# Altium PCB LightLink_V3.PcbDoc (part 3 of 4)
Units mm, origin at the board's own origin, x right, y up, seen from the top; angles counter-clockwise.
Board outline 142 x 100 mm, 6 copper layers (Top Layer, GND, PWR, BRIDGE_1, BRIDGE_2, Bottom Layer), stack 0.816 mm thick; 380 components, 269 nets, 1515 pads, 309 vias.
Unrouted connection lines stored in the file: 109.
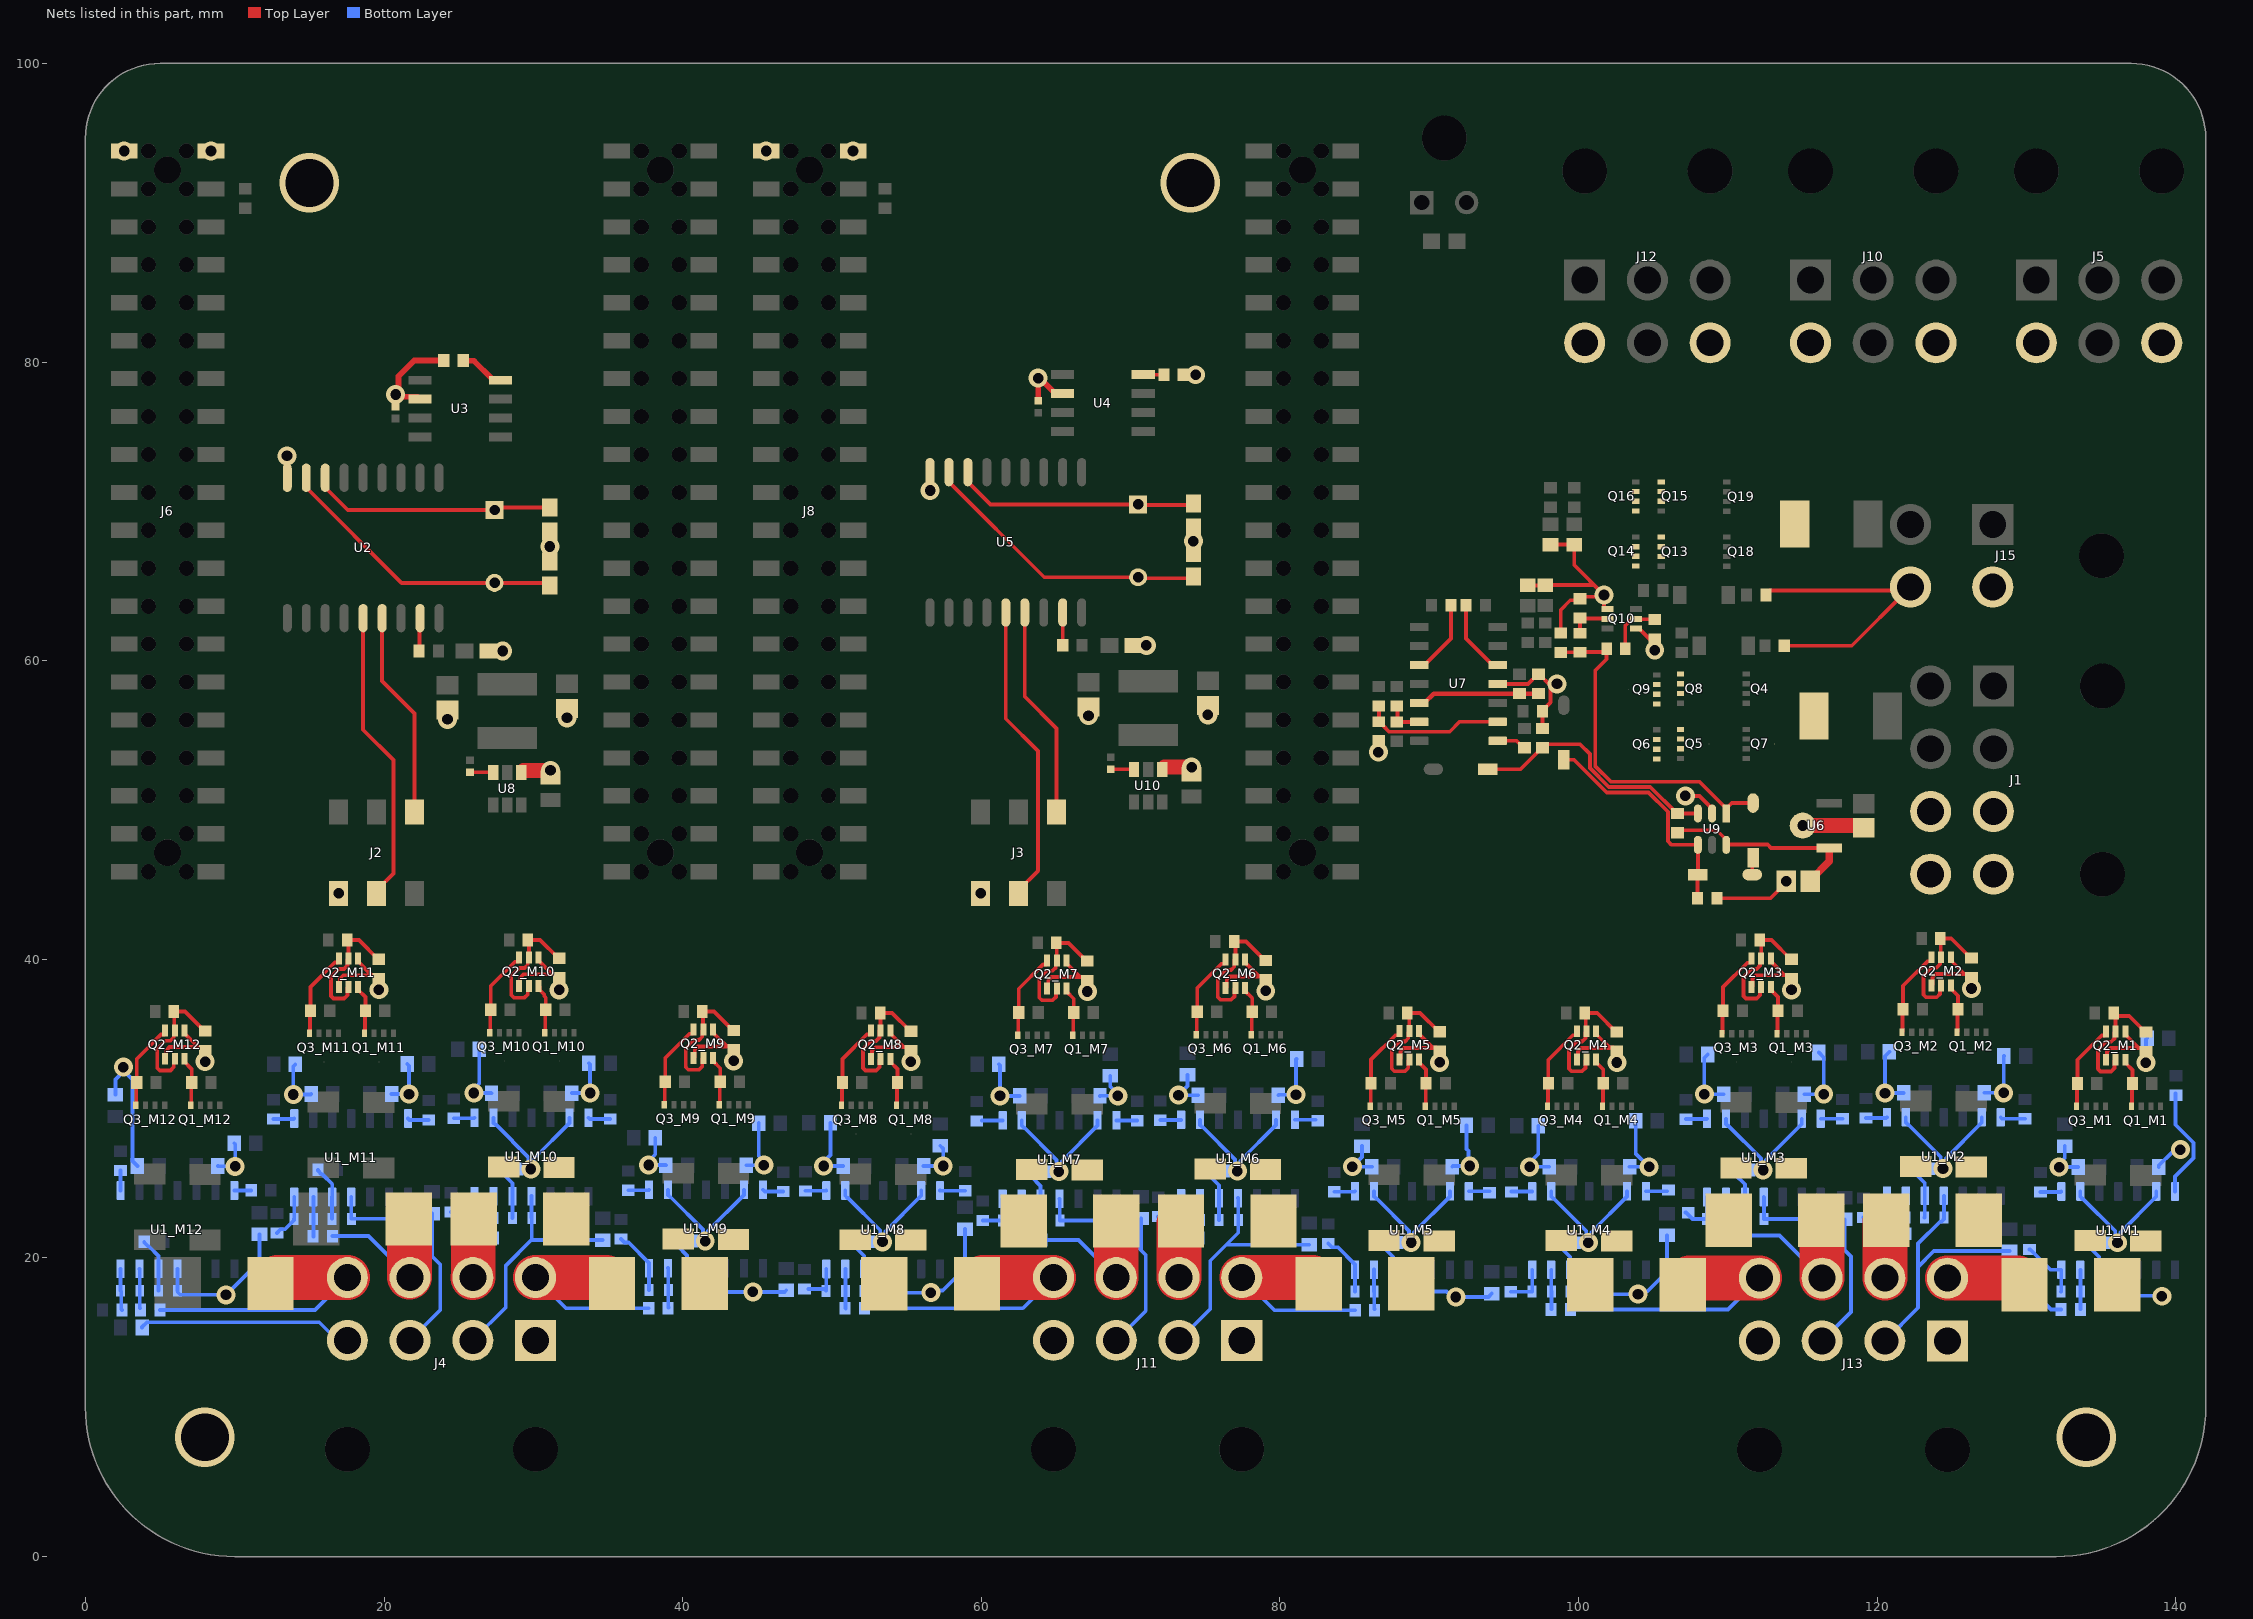
[diagram p7: the nets of this part, all layers, seen from the top]

## Via types
v1: diameter 1.27, hole 0.711, Top Layer to Bottom Layer, 305 vias
v2: diameter 4, hole 3.2, Top Layer to Bottom Layer, 4 vias

## Nets (pads, with @x,y where several pads share a name; then routed paths per layer and width w, separated by ;. In a path a pad name is that pad's centre, name@x,y a point inside that pad or via, vN(x,y) a via of type N, cw(c..) or ccw(c..) an arc to the next point about the centre after c; other vN are vias at no path point) (continued)
GND: C1.1 C2.2 C3.2 C4.1 C5.1 C6.2 C7.2 C8.1 C9.1 C10.1 C12.2 C13.2 C14.2 C17.2 C18.2 C19.2 J1.3 J1.4 J1.7 J1.8 J2.05 J3.05 J4.1 J4.2 J4.3 J4.4 J5.4 J5.6 J6.1 J6.2 J8.1 J8.2 J10.4 J10.6 J11.1 J11.2 J11.3 J11.4 J12.4 J12.6 J13.1 J13.2 J13.3 J13.4 J15.2 J15.4 Q2_M1.1 Q2_M1.4 Q2_M2.1 Q2_M2.4 Q2_M3.1 Q2_M3.4 Q2_M4.1 Q2_M4.4 Q2_M5.1 Q2_M5.4 Q2_M6.1 Q2_M6.4 Q2_M7.1 Q2_M7.4 Q2_M8.1 Q2_M8.4 Q2_M9.1 Q2_M9.4 Q2_M10.1 Q2_M10.4 Q2_M11.1 Q2_M11.4 Q2_M12.1 Q2_M12.4 Q10.1 Q10.4 R4_M1.1 R4_M2.1 R4_M3.1 R4_M4.1 R4_M5.1 R4_M6.1 R4_M7.1 R4_M8.1 R4_M9.1 R4_M10.1 R4_M11.1 R4_M12.1 R5_M1.1 R5_M2.1 R5_M3.1 R5_M4.1 R5_M5.1 R5_M6.1 R5_M7.1 R5_M8.1 R5_M9.1 R5_M10.1 R5_M11.1 R5_M12.1 R10_M1.1 R10_M2.1 R10_M3.1 R10_M4.1 R10_M5.1 R10_M6.1 R10_M7.1 R10_M8.1 R10_M9.1 R10_M10.1 R10_M11.1 R10_M12.1 R14.1 R15.1 R17.1 R20.2 R22.2 R25.1 R26.1 R30.2 R31.2 R33.1 R34.2 R35.2 R36_M1.1 R36_M2.1 R36_M3.1 R36_M4.1 R36_M5.1 R36_M6.1 R36_M7.1 R36_M8.1 R36_M9.1 R36_M10.1 R36_M11.1 R36_M12.1 R37_M1.1 R37_M2.1 R37_M3.1 R37_M4.1 R37_M5.1 R37_M6.1 R37_M7.1 R37_M8.1 R37_M9.1 R37_M10.1 R37_M11.1 R37_M12.1 R44.1 R45.1 R46.2 R48.1 R52_M1.1 R52_M2.1 R52_M3.1 R52_M4.1 R52_M5.1 R52_M6.1 R52_M7.1 R52_M8.1 R52_M9.1 R52_M10.1 R52_M11.1 R52_M12.1 R54_M1.1 R54_M2.1 R54_M3.1 R54_M4.1 R54_M5.1 R54_M6.1 R54_M7.1 R54_M8.1 R54_M9.1 R54_M10.1 R54_M11.1 R54_M12.1 U1_M1.11 U1_M2.11 U1_M3.11 U1_M4.11 U1_M5.11 U1_M6.11 U1_M7.11 U1_M8.11 U1_M9.11 U1_M10.11 U1_M11.11 U1_M12.11 U2.9 U3.2 U4.2 U5.9 U6.2 U7.11 U8.4 U9.2 U10.4 | length 388.6
  Top Layer w0.254: Q2_M12.4@5.338,33.34 5.409,33.411 5.409,33.9 5.63,34.121 7.536,34.121 ; Q2_M12.1@6.638,35.24 6.638,35.04 7.536,34.142 7.772,34.142 R5_M12.1@8.02,33.894 ; v1(13.5,73.714) 13.51,73.704 13.51,72.26 U2.9@13.52,72.25 ; Q2_M11.4@16.971,38.156 17.042,38.227 17.042,38.716 17.263,38.937 19.169,38.937 ; Q2_M11.1@18.271,40.056 18.271,39.856 19.169,38.958 19.405,38.958 R5_M11.1@19.653,38.71 ; Q2_M10.4@29.049,38.214 29.12,38.285 29.12,38.774 29.342,38.995 31.247,38.995 ; U8.4@29.2,52.525 U8.4@29.326,52.65 ; Q2_M10.1@30.349,40.114 30.349,39.914 31.247,39.016 31.483,39.016 R5_M10.1@31.731,38.768 ; v1(31.1,67.65) C5.1@31.1,68.648 ; Q2_M9.4@40.733,33.388 40.804,33.459 40.804,33.948 41.026,34.169 42.931,34.169 ; Q2_M9.1@42.033,35.288 42.033,35.088 42.931,34.19 43.167,34.19 R5_M9.1@43.415,33.942 ; Q2_M8.4@52.603,33.335 52.674,33.406 52.674,33.895 52.895,34.116 54.801,34.116 ; Q2_M8.1@53.903,35.235 53.903,35.035 54.801,34.137 55.037,34.137 R5_M8.1@55.285,33.889 ; Q2_M7.4@64.414,38.034 64.485,38.105 64.485,38.594 64.706,38.815 66.612,38.815 ; Q2_M7.1@65.714,39.934 65.714,39.734 66.612,38.836 66.848,38.836 R5_M7.1@67.096,38.588 ; U10.4@72.125,52.724 U10.4@72.276,52.875 ; Q2_M6.4@76.365,38.077 76.436,38.148 76.436,38.637 76.657,38.858 78.563,38.858 ; Q2_M6.1@77.665,39.977 77.665,39.777 78.563,38.879 78.799,38.879 R5_M6.1@79.047,38.631 ; Q2_M5.4@88.011,33.29 88.082,33.361 88.082,33.85 88.303,34.071 90.209,34.071 ; Q2_M5.1@89.311,35.19 89.311,34.99 90.209,34.092 90.445,34.092 R5_M5.1@90.693,33.844 ; U7.11@94.58,58.445 96.612,58.445 97.262,59.095 97.362,59.095 98.125,58.332 98.125,57.21 97.581,56.666 R17.1@97.581,56.616 97.581,55.469 R48.1@97.587,55.463 ; R26.1@96.584,65.042 97.726,65.042 97.759,65.075 100.938,65.075 ; R44.1@98.114,67.775 R45.1@99.714,67.775 99.714,66.386 v1(101.7,64.4) ; R35.2@98.8,61.85 98.8,63.4 99.443,64.043 99.993,64.043 R22.2@100.1,64.15 100.225,64.275 101.575,64.275 v1(101.7,64.4) ; Q2_M4.4@99.879,33.284 99.95,33.355 99.95,33.844 100.171,34.065 102.077,34.065 ; Q2_M4.1@101.179,35.184 101.179,34.984 102.077,34.086 102.313,34.086 R5_M4.1@102.561,33.838 ; Q10.1@101.95,63.45 101.773,63.45 101.7,63.523 v1(101.7,64.4) ; Q10.4@103.85,62.15 104.05,62.15 104.906,61.294 104.906,60.894 v1(105.1,60.7) ; v1(107.146,50.944) 108.102,50.944 108.941,50.105 U9.2@108.941,49.768 ; R34.2@109.26,44.094 112.856,44.094 113.918,45.156 v1(113.918,45.232) ; Q2_M3.4@111.577,38.149 111.648,38.22 111.648,38.708 111.869,38.93 113.775,38.93 ; R30.2@112.55,64.4 112.55,64.45 112.798,64.698 J15.4@121.992,64.698 ; Q2_M3.1@112.877,40.049 112.877,39.849 113.775,38.951 114.011,38.951 R5_M3.1@114.259,38.703 ; R20.2@113.775,61 118.294,61 J15.4@121.992,64.698 ; J15.4@122.223,64.929 J15.4@121.992,64.698 ; Q2_M2.4@123.628,38.237 123.699,38.308 123.699,38.797 123.92,39.018 125.826,39.018 ; Q2_M2.1@124.928,40.137 124.928,39.937 125.826,39.039 126.062,39.039 R5_M2.1@126.31,38.791 ; Q2_M1.4@135.312,33.276 135.383,33.347 135.383,33.835 135.604,34.057 137.51,34.057 ; Q2_M1.1@136.612,35.176 136.612,34.976 137.51,34.078 137.746,34.078 R5_M1.1@137.994,33.83
  Top Layer w0.381: U3.2@22.4,77.51 22.243,77.668 20.933,77.668 v1(20.775,77.825) 20.969,78.019 20.969,79.044 22.025,80.1 R14.1@24,80.1 ; v1@63.8,78.922 63.812,78.91 C3.2@63.812,77.4 ; v1@63.805,78.93 v1@63.97,79.095 ; v1@63.807,78.918 63.93,78.918 64.853,77.994 65.316,77.994 U4.2@65.433,77.877
  Top Layer w1: U8.4@29.326,52.65 v1(31.15,52.65) ; U10.4@72.276,52.875 v1(74.083,52.875) ; v1(115.01,48.959) 118.942,48.959 C6.2@119.101,48.8
  Bottom Layer w0.254: R10_M12.1@2.007,30.926 2.007,31.961 2.544,32.499 v1@2.544,32.573 ; v1(2.544,32.774) v1@2.544,32.573 ; R36_M12.1@3.485,26.162 3.162,26.485 3.162,31.955 v1@2.544,32.573 ; R54_M12.1@3.798,15.342 3.798,15.374 4.121,15.697 15.657,15.697 16.87,14.485 J4.4@17.545,14.485 ; U1_M12.11@6.166,19.27 6.173,19.262 6.173,17.813 R4_M12.1@6.181,17.805 6.181,17.705 6.354,17.532 9.411,17.532 v1(9.417,17.526) 11.659,19.768 R54_M11.1@11.659,21.576 ; R37_M12.1@8.872,26.162 8.897,26.137 v1(10.033,26.137) 10.033,27.621 R52_M12.1@9.968,27.686 ; R10_M11.1@14.06,32.969 13.923,32.832 v1(13.923,30.95) 15.09,30.95 R36_M11.1@15.118,30.978 ; U1_M11.11@17.799,24.086 17.806,24.078 17.806,22.629 R4_M11.1@17.814,22.621 20.705,22.621 23.216,20.11 ; R37_M11.1@20.505,30.978 20.508,30.975 v1(21.669,30.975) 21.669,32.876 R52_M11.1@21.551,32.995 ; J4.3@21.745,14.485 23.768,16.508 23.768,19.558 23.216,20.11 ; R54_M10.1@23.216,22.973 23.216,20.11 ; J4.2@25.945,14.485 28.157,16.697 28.157,19.502 29.855,21.2 ; R10_M10.1@26.379,33.985 26.379,31.69 26.014,31.325 v1(26.014,31.05) 27.183,31.05 R36_M10.1@27.196,31.036 ; U1_M10.11@29.877,24.144 29.885,24.136 R4_M10.1@29.885,22.687 ; R4_M10.1@29.892,22.68 29.892,21.237 29.855,21.2 ; R37_M10.1@32.583,31.036 32.597,31.05 v1(33.8,31.05) 33.8,32.963 R52_M10.1@33.717,33.045 ; R54_M9.1@34.646,21.2 29.855,21.2 ; R10_M9.1@38.165,28.042 38.165,26.94 37.725,26.5 v1(37.725,26.225) 38.866,26.225 R36_M9.1@38.88,26.21 ; U1_M9.11@41.561,19.318 41.569,19.31 41.569,17.861 R4_M9.1@41.576,17.854 41.705,17.725 v1(44.7,17.725) 46.822,17.725 R54_M8.1@46.939,17.842 ; R37_M9.1@44.267,26.21 44.27,26.213 v1(45.441,26.213) 45.441,26.488 45.097,26.832 R52_M9.1@45.097,29.032 ; R10_M8.1@49.899,29.058 49.899,26.889 49.443,26.432 v1(49.443,26.157) R36_M8.1@50.75,26.157 ; U1_M8.11@53.431,19.265 53.438,19.258 53.438,17.808 R4_M8.1@53.446,17.801 53.572,17.675 v1(56.625,17.675) 56.765,17.815 57.414,17.815 58.903,19.304 R54_M7.1@58.903,21.932 ; R37_M8.1@56.137,26.157 v1(57.444,26.157) 57.444,27.327 R52_M8.1@57.252,27.52 ; R10_M7.1@61.177,32.969 61.254,32.892 v1(61.254,30.856) R36_M7.1@62.561,30.856 ; U1_M7.11@65.242,23.964 65.249,23.957 65.249,22.507 R4_M7.1@65.257,22.5 68.705,22.5 70.688,20.517 ; R37_M7.1@67.948,30.856 67.953,30.861 v1(69.139,30.861) 69.139,30.971 68.631,31.479 R52_M7.1@68.631,32.193 ; J11.3@69.039,14.485 71.012,16.458 71.012,20.193 70.688,20.517 ; R54_M6.1@70.688,22.643 70.688,20.517 ; J11.2@73.239,14.485 75.33,16.576 75.33,19.812 76.408,20.89 ; R10_M6.1@73.812,32.27 73.812,31.506 v1(73.205,30.899) R36_M6.1@74.512,30.899 ; U1_M6.11@77.193,24.007 77.201,24 77.201,22.55 R4_M6.1@77.208,22.543 77.208,21.69 76.408,20.89 ; R37_M6.1@79.899,30.899 79.937,30.937 v1(81.077,30.937) 81.077,33.288 R52_M6.1@81.114,33.325 ; R54_M5.1@81.966,20.89 76.408,20.89 ; R10_M5.1@85.496,27.494 85.496,26.758 v1(84.851,26.112) R36_M5.1@86.158,26.112 ; U1_M5.11@88.838,19.22 88.846,19.212 88.846,17.763 R4_M5.1@88.853,17.755 91.144,17.755 91.51,17.389 v1(91.785,17.389) 93.958,17.389 R54_M4.1@94.183,17.614 ; R37_M5.1@91.545,26.112 91.595,26.162 v1(92.71,26.162) 92.62,26.252 92.62,27.178 92.493,27.305 R52_M5.1@92.493,28.88 ; R10_M4.1@97.296,28.854 97.296,26.958 96.719,26.381 v1(96.719,26.106) R36_M4.1@98.026,26.106 ; U1_M4.11@100.707,19.214 100.715,19.207 100.715,17.757 R4_M4.1@100.722,17.75 100.722,17.748 100.895,17.575 v1(103.975,17.575) 104.169,17.769 104.612,17.769 105.918,19.075 R54_M3.1@105.918,21.525 ; R37_M4.1@103.413,26.106 v1(104.72,26.106) 103.821,27.005 R52_M4.1@103.821,29.185 ; R10_M3.1@108.65,33.63 108.417,33.397 v1(108.417,30.971) R36_M3.1@109.724,30.971 ; U1_M3.11@112.404,24.078 112.412,24.071 112.412,22.621 R4_M3.1@112.419,22.614 115.722,22.614 117.831,20.506 ; R37_M3.1@115.111,30.971 v1(116.418,30.971) 116.413,30.976 116.413,33.434 R52_M3.1@116.09,33.757 ; J13.3@116.31,14.449 118.233,16.372 118.233,20.103 117.831,20.506 ; R54_M2.1@117.831,22.592 117.831,20.506 ; J13.2@120.51,14.449 122.729,16.668 122.729,19.406 ; R10_M2.1@120.816,33.807 120.523,33.514 v1(120.523,31.039) 121.755,31.039 R36_M2.1@121.775,31.059 ; U1_M2.11@124.456,24.167 124.464,24.16 124.464,22.71 R4_M2.1@124.471,22.703 124.471,22.603 124.298,22.43 124.198,22.43 122.729,20.961 122.729,19.406 ; R37_M2.1@127.162,31.059 v1(128.469,31.059) 128.469,33.512 R52_M2.1@128.485,33.528 ; R54_M1.1@128.854,20.459 123.782,20.459 122.729,19.406 ; R10_M1.1@132.563,27.494 132.563,26.704 132.182,26.323 v1(132.182,26.086) 133.447,26.086 R36_M1.1@133.459,26.098 ; U1_M1.11@136.14,19.205 136.148,19.198 136.148,17.749 R4_M1.1@136.155,17.741 136.155,17.641 136.328,17.468 139.029,17.468 v1(139.061,17.436) ; v1(137.994,33.083) 137.994,34.63 R52_M1.1@138.086,34.722 ; R37_M1.1@138.846,26.098 138.846,26.173 139.729,27.056 140.106,27.056 v1(140.3,27.25)
  other v1: 90.693,33.097 102.561,33.091 8.02,33.147 55.285,33.142 43.415,33.195 67.096,37.841 79.047,37.884 31.725,37.95 114.259,37.956 19.653,37.963 126.31,38.044 16.96,44.42 59.96,44.42 86.589,53.877 24.25,56.072 32.25,56.172 67.175,56.314 75.175,56.372 98.552,58.445 27.95,60.65 71.05,61.025 74.2,68.011 56.575,71.4 63.8,78.925 74.35,79.15 2.59,94.13 8.41,94.13 45.59,94.13 51.41,94.13
  other v2: 8,8 134,8 15,92 74,92
KILL_SIG: D6.2 R35.1 R39.1 R43.1 U9.1 | length 23.6
  Top Layer w0.254: R35.1@98.8,60.55 98.812,60.562 100.087,60.562 R39.1@100.1,60.575 101.652,60.575 R43.1@101.875,60.798 ; R43.1@101.875,60.8 R43.1@101.875,60.798 ; U9.1@109.891,49.768 U9.1@109.891,50.105 ; D6.2@111.684,50.466 110.251,50.466 U9.1@109.891,50.105 ; R43.1@101.875,60.798 101.875,60.092 101.109,59.327 101.109,52.944 102.161,51.892 108.104,51.892 U9.1@109.891,50.105
LATCH_5V: C7.1 R47.1 U6.1 U9.6 | length 13.8
  Top Layer w0.254: R47.1@106.629,48.474 106.797,48.641 109.254,48.641 109.891,48.004 U9.6@109.891,47.587 ; U9.6@109.891,47.667 109.91,47.686 112.664,47.686 112.891,47.459 U6.1@116.791,47.459 ; C7.1@115.53,45.232 C7.1@115.53,45.308
  Top Layer w0.5: C7.1@115.53,45.308 116.791,46.569 U6.1@116.791,47.459
MISO_1: J2.02 U2.15 | length 13.9
  Top Layer w0.254: U2.15@19.87,62.85 19.87,58.63 22.04,56.46 J2.02@22.04,49.86
MISO_2: J3.02 U5.15 | length 14.2
  Top Layer w0.254: U5.15@62.91,63.225 62.91,57.592 65.04,55.462 J3.02@65.04,49.86
MOSI_1: J2.03 U2.14 | length 19.7
  Top Layer w0.254: U2.14@18.6,62.85 18.6,55.375 20.625,53.35 20.625,45.75 19.5,44.625 J2.03@19.5,44.42
MOSI_2: J3.03 U5.14 | length 20.2
  Top Layer w0.254: U5.14@61.64,63.225 61.64,56.11 63.8,53.95 63.8,45.925 62.5,44.625 J3.03@62.5,44.42
NetC4_2: C4.2 U2.8 Y1.2 | length 19.7
  Top Layer w0.254: U2.8@14.79,72.25 14.79,71.6 21.18,65.21 Y1.2@27.4,65.21 30.938,65.21 C4.2@31.1,65.048
NetC5_2: C5.2 U2.7 Y1.1 | length 16.4
  Top Layer w0.254: U2.7@16.06,72.25 16.06,71.6 17.57,70.09 Y1.1@27.4,70.09 27.562,70.252 C5.2@31.1,70.252
NetC9_2: C9.2 U5.8 Y2.2 | length 19.7
  Top Layer w0.254: U5.8@57.83,72.625 57.83,71.975 64.22,65.585 Y2.2@70.5,65.585 70.564,65.521 C9.2@74.2,65.521
NetC10_2: C10.2 U5.7 Y2.1 | length 16.4
  Top Layer w0.254: U5.7@59.1,72.625 59.1,71.975 60.61,70.465 Y2.1@70.5,70.465 70.538,70.427 C10.2@74.2,70.427
NetC15_2: C15.2 U8.6 | length 1.6
  Top Layer w0.254: C15.2@25.75,52.525 U8.6@27.3,52.525
NetC20_2: C20.2 U10.6 | length 1.6
  Top Layer w0.254: C20.2@68.675,52.725 U10.6@70.225,52.724
NetD5_1: D5.1 D7.1 R34.1 U9.4 | length 16.1
  Top Layer w0.254: D7.1@99.009,53.369 99.691,53.369 101.879,51.181 104.687,51.181 105.988,49.88 105.988,47.91 106.232,47.667 U9.4@107.991,47.667 107.991,45.681 D5.1@107.979,45.669 107.96,45.65 R34.1@107.96,44.094
NetD5_2: D5.2 D6.1 | length 1.2
  Top Layer w0.254: D5.2@111.629,45.669 111.629,46.761 D6.1@111.684,46.816
NetD8_1: D8.1 R47.2 R48.2 U9.3 | length 17.2
  Top Layer w0.254: D8.1@93.925,52.73 96.104,52.73 97.537,54.163 R48.2@97.587,54.163 97.83,54.407 100.101,54.407 100.762,53.746 100.762,52.807 102.019,51.549 104.803,51.549 106.579,49.774 R47.2@106.629,49.774 106.632,49.771 107.988,49.771 U9.3@107.991,49.768
NetF1_2: F1.2 Q4.5-6-7-8 Q7.5-6-7-8
NetF2_2: F2.2 Q18.5-6-7-8 Q19.5-6-7-8
NetQ1_M1_4: Q1_M1.4 Q2_M1.6 R8_M1.1 | length 3.3
  Top Layer w0.254: Q2_M1.6@136.612,33.276 136.612,33.076 137.09,32.598 R8_M1.1@137.09,31.686 137.058,31.654 137.058,30.19 Q1_M1.4@137.026,30.158
NetQ1_M2_4: Q1_M2.4 Q2_M2.6 R8_M2.1 | length 3.3
  Top Layer w0.254: Q2_M2.6@124.928,38.237 124.928,38.037 125.406,37.559 R8_M2.1@125.406,36.647 125.374,36.615 125.374,35.151 Q1_M2.4@125.342,35.119
NetQ1_M3_4: Q1_M3.4 Q2_M3.6 R8_M3.1 | length 3.3
  Top Layer w0.254: Q2_M3.6@112.877,38.149 112.877,37.949 113.355,37.471 R8_M3.1@113.355,36.559 113.323,36.527 113.323,35.063 Q1_M3.4@113.291,35.031
NetQ1_M4_4: Q1_M4.4 Q2_M4.6 R8_M4.1 | length 3.3
  Top Layer w0.254: Q2_M4.6@101.179,33.284 101.179,33.084 101.657,32.606 R8_M4.1@101.657,31.694 101.625,31.662 101.625,30.198 Q1_M4.4@101.593,30.166
NetQ1_M5_4: Q1_M5.4 Q2_M5.6 R8_M5.1 | length 3.3
  Top Layer w0.254: Q2_M5.6@89.311,33.29 89.311,33.09 89.789,32.612 R8_M5.1@89.789,31.7 89.757,31.668 89.757,30.204 Q1_M5.4@89.725,30.172
NetQ1_M6_4: Q1_M6.4 Q2_M6.6 R8_M6.1 | length 3.3
  Top Layer w0.254: Q2_M6.6@77.665,38.077 77.665,37.877 78.143,37.399 R8_M6.1@78.143,36.487 78.111,36.455 78.111,34.991 Q1_M6.4@78.079,34.959
NetQ1_M7_4: Q1_M7.4 Q2_M7.6 R8_M7.1 | length 3.3
  Top Layer w0.254: Q2_M7.6@65.714,38.034 65.714,37.834 66.192,37.356 R8_M7.1@66.192,36.444 66.16,36.412 66.16,34.948 Q1_M7.4@66.128,34.916
NetQ1_M8_4: Q1_M8.4 Q2_M8.6 R8_M8.1 | length 3.3
  Top Layer w0.254: Q2_M8.6@53.903,33.335 53.903,33.135 54.381,32.657 R8_M8.1@54.381,31.745 54.349,31.713 54.349,30.249 Q1_M8.4@54.317,30.217
NetQ1_M9_4: Q1_M9.4 Q2_M9.6 R8_M9.1 | length 3.3
  Top Layer w0.254: Q2_M9.6@42.033,33.388 42.033,33.188 42.511,32.71 R8_M9.1@42.511,31.798 42.479,31.766 42.479,30.302 Q1_M9.4@42.447,30.27
NetQ1_M10_4: Q1_M10.4 Q2_M10.6 R8_M10.1 | length 3.3
  Top Layer w0.254: Q2_M10.6@30.349,38.214 30.422,38.141 30.422,37.941 30.725,37.639 30.725,37.536 30.827,37.433 R8_M10.1@30.827,36.624 30.795,36.592 30.795,35.128 Q1_M10.4@30.763,35.096
NetQ1_M11_4: Q1_M11.4 Q2_M11.6 R8_M11.1 | length 3.3
  Top Layer w0.254: Q2_M11.6@18.271,38.156 18.271,37.956 18.749,37.478 R8_M11.1@18.749,36.566 18.717,36.534 18.717,35.07 Q1_M11.4@18.685,35.038
NetQ1_M12_4: Q1_M12.4 Q2_M12.6 R8_M12.1 | length 3.3
  Top Layer w0.254: Q2_M12.6@6.638,33.34 6.638,33.14 7.116,32.662 R8_M12.1@7.116,31.75 7.084,31.718 7.084,30.254 Q1_M12.4@7.052,30.222
NetQ2_M1_2: Q2_M1.2 Q2_M1.5 R5_M1.2 R38_M1.2 | length 9
  Top Layer w0.254: R38_M1.2@135.825,36.4 135.825,36.325 R38_M1.2@136.048,36.102 ; Q2_M1.5@135.962,33.276 135.893,33.207 135.893,32.718 135.67,32.495 134.954,32.495 134.783,32.666 134.783,33.936 135.327,34.48 135.666,34.48 135.889,34.703 135.889,35.103 Q2_M1.2@135.962,35.176 135.962,36.188 135.948,36.202 136.872,36.202 137.944,35.13 R5_M1.2@137.994,35.13
NetQ2_M1_3: Q2_M1.3 Q3_M1.4 R7_M1.1 | length 6
  Top Layer w0.254: Q3_M1.4@133.343,30.158 133.375,30.19 133.375,31.654 R7_M1.1@133.407,31.686 133.407,33.271 135.039,34.903 135.239,34.903 135.312,34.976 Q2_M1.3@135.312,35.176